# KiCad board sizif512.kicad_pcb (continued)
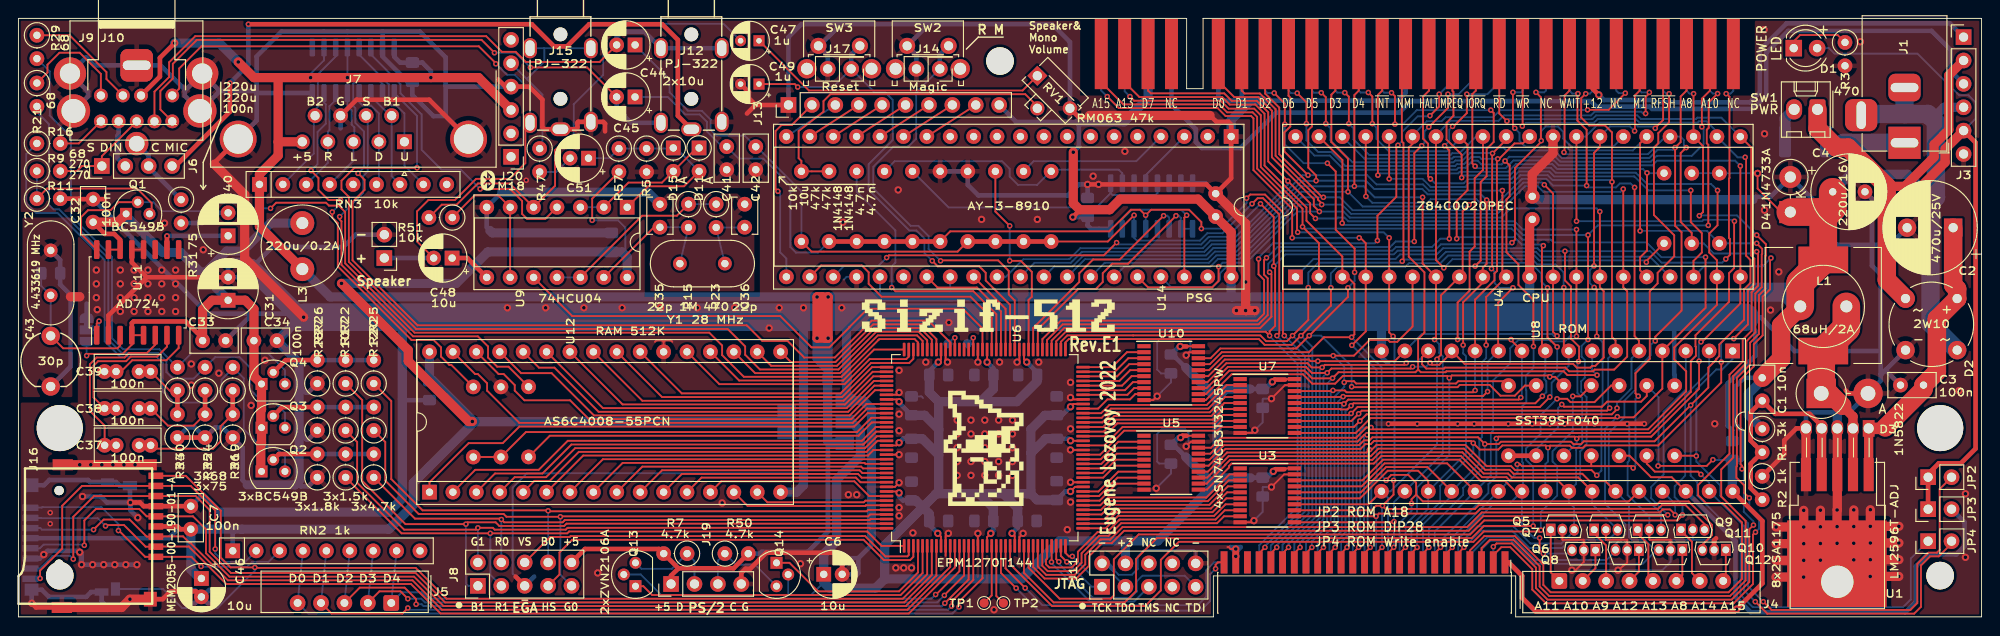
[diagram p0: board, top side]
## Routing (per net, layer and track width the routed paths; a pad name or vN(x,y) marks a point on that pad's centre or on a via; arc(x,y) is an arc through that point) (continued)
  Bottom w0.2: v2(2.35,4.17) 1.32,4.17 J21.8 ; v2(21.35,7.37) 21.35,6.9 22.28,5.97 24.59,5.97 RN2.2
/SD_DAT2: length 30.9
  Top w0.2: v2(10.85,9.37) 10.9,9.37 13.75,6.52 J16.1 18.76,6.52 v2(19.81,5.47)
  Bottom w0.2: v2(10.85,9.37) 10.85,10.07 9,11.92 2.6,11.92 2.55,11.87 1.32,11.87 J21.1 ; RN2.3 27.13,5.97 25.36,5.97 24.83,5.44 19.84,5.44 v2(19.81,5.47)
/SD_MISO: length 115.9
  Top w0.2: v2(5.95,6.27) 5.95,10.87 8.2,13.12 J16.7 19.23,13.12 20.75,11.6 20.75,7.08 23.06,4.77 43.09,4.77 46.28,1.57 96.12,1.57 99.1,4.55 U6.7
  Bottom w0.2: J21.7 2.32,5.25 3.7,6.62 5.6,6.62 v2(5.95,6.27)
/SD_MOSI: length 108.6
  Top w0.2: 14.91,8.74 17.86,8.74 18.56,8.04 18.65,8.04 22.73,3.97 42.76,3.97 45.95,0.77 96.45,0.77 101.1,5.42 U6.11 ; J16.3 13.91,8.72 12.06,10.57 9.25,10.57 v2(8.15,9.47)
  Bottom w0.2: v2(8.15,9.47) 2.55,9.47 2.38,9.65 J21.3
/SD_SCK: length 112.2
  Top w0.2: U6.8 99.6,4.49 96.28,1.17 46.12,1.17 42.92,4.37 22.89,4.37 20.35,6.91 20.35,9.5 18.93,10.92 14.93,10.92 14.91,10.94 ; J16.5 13.91,10.92 13.11,11.72 8.4,11.72 7.15,10.47 v2(7.15,7.77)
  Bottom w0.2: J21.5 2.32,7.45 2.73,7.85 7.07,7.85 v2(7.15,7.77)
/SHIFT_CLK: length 97.9
  Top w0.2: U6.98 101.1,29.81 98.74,32.17 92.58,32.17 88.58,28.17 85.25,28.17 83.45,29.97 80.71,29.97 79.02,31.67 43.31,31.67 36.25,38.73 36.25,45.07 37.55,46.37 37.55,47.47 v2(36.85,48.17)
  Bottom w0.2: v2(36.85,48.17) 37.5,48.82 37.5,52.72 36.55,53.67 36.55,55.27 36.32,55.5 36.32,57.92 36.65,58.25 39.13,58.25 39.51,57.87 U17.2
/SHIFT_OUT: length 46.6
  Top w0.2: U6.120 92.53,21.62 90.98,20.07 55.06,20.07 R53.2 R52.2
/SHIFT_PL: length 98.3
  Top w0.2: U6.103 98.6,30.04 97.67,30.97 93.08,30.97 88.98,26.87 80.45,26.87 78.85,28.47 78.85,29.37 76.95,31.27 43.15,31.27 35.85,38.57 35.85,45.62 35.05,46.42 35.05,47.37 36.45,48.77 v2(43.25,48.77)
  Bottom w0.2: v2(43.25,48.77) 43.25,54.42 U17.1
/SND_DAC_L: length 21.8
  Top w0.2: R38.2 106,44.02 v2(107.55,42.47) ; v2(107.55,38.67) 108.75,38.67 109.95,37.47 109.95,34.77 109.6,34.42 U6.81
  Bottom w0.2: v2(107.55,38.67) v2(107.55,42.47)
/SND_DAC_R: length 30.9
  Top w0.2: v2(94.75,35.77) 95.15,35.37 103.6,35.37 106.1,32.87 U6.88
  Bottom w0.2: R37.2 90.95,46.17 95.15,41.97 95.15,38.47 94.75,38.07 v2(94.75,35.77)
/SND_L: length 72
  Top w0.2: J9.8 14.76,57.05 16.35,58.64 16.35,60.24 19.18,63.07 50.75,63.07 52.45,61.37 53.95,61.37 55.05,60.27 63.06,60.27 C44.2
  Bottom w0.5: J12.T J12.T 67.9,63.57 65.5,63.57 64.91,62.98 C44.2
/SND_MONO: length 77.5
  Top w0.2: J15.R1 55,53.16 55,49.28 53.29,47.57 49.65,47.57 47.35,45.27 44.48,45.27 43.25,44.05 43.25,40.77 C48.2 ; J9.6 17.44,57.38 17.44,59.56 19.85,61.97 49.95,61.97 51.8,60.12 v2(51.8,60.07)
  Bottom w0.2: v2(51.8,60.07) 51.81,60.07 53.01,58.87 53.85,58.87 55.51,57.21 J15.R1
  Bottom w0.5: LS1.1 C48.2
/SND_R: length 65.9
  Top w0.2: v2(51.65,61.27) 50.25,62.67 19.35,62.67 16.75,60.07 16.75,58.47 15.4,57.12 15.4,55.11 J9.9 ; v2(55.55,59.67) 61.7,59.67 C45.2
  Bottom w0.2: v2(55.55,59.67) 53.94,61.28 51.66,61.28 v2(51.65,61.27)
  Bottom w0.5: C45.2 64.9,55.22 66.46,53.66 J12.R1
/TAPE_IN: length 21.6
  Bottom w0.2: 55.51,61.77 57.05,61.77 ; 57.05,61.77 57.05,60.31 55.23,58.49 55.23,58.35 ; 57.05,61.77 62.11,61.77 ; R47.1 56.85,51.17 56.85,56.73 55.23,58.35 ; 55.23,58.35 J20.5
/TAPE_IN0: length 32.5
  Top w0.2: U9.4 57.16,43.22 55.2,43.22 54.65,43.77 54.65,45.16 53.34,46.47 v2(50.1,46.47)
  Bottom w0.2: v2(50.1,46.47) 48,48.57 45.9,48.57 43.75,50.72 43.75,54.57 41.45,56.87 41.45,57.87 38.23,61.09 38.23,61.85
/TCK: length 6.9
  Top w0.2: U6.35 113.1,6.62 v2(113.75,5.97)
  Bottom w0.2: v2(113.75,5.97) 116.45,3.27 J11.1
/TDI: length 20.6
  Top w0.2: U6.34 112.6,6.27 v2(112.89,5.99)
  Bottom w0.2: J11.9 126.53,4.47 121.95,4.47 121.35,3.87 121.35,2.77 120.65,2.07 116.58,2.07 112.89,5.77 v2(112.89,5.99)
/TDO: length 8.8
  Top w0.2: v2(114.35,6.57) 113.98,6.57 113.6,6.95 U6.36
  Bottom w0.2: J11.3 118.81,4.57 116.35,4.57 v2(114.35,6.57)
/TMS: length 14.8
  Top w0.2: v2(112.09,5.96) 112.1,5.97 U6.33
  Bottom w0.2: v2(112.09,5.96) 112.09,5.83 116.25,1.67 121.05,1.67 J11.5
/VA0: length 22.5
  Top w0.2: U12.12 74.12,15.12 90.86,15.12 91.37,14.62 U6.134
/VA1: length 25.2
  Top w0.2: U12.11 71.98,15.52 91.1,15.52 91.5,15.12 U6.133
/VA2: length 27.8
  Top w0.2: U6.132 91.57,15.62 91.26,15.92 69.84,15.92 U12.10
/VA3: length 30.5
  Top w0.2: U6.131 91.63,16.12 91.43,16.32 67.7,16.32 U12.9
/VA4: length 33.2
  Top w0.2: U12.8 65.56,16.72 91.8,16.72 91.9,16.62 U6.130
/VA5: length 35.8
  Top w0.2: U12.7 63.41,17.12 U6.129
/VA6: length 38.8
  Top w0.2: U12.6 61.28,17.52 92.18,17.52 92.78,18.12 U6.127
/VA7: length 41.7
  Top w0.2: U12.5 55.98,14.77 57.65,14.77 60.8,17.92 92.01,17.92 93.21,19.12 U6.125
/VA8: length 40.6
  Top w0.2: U12.27 63.41,22.67 89.86,22.67 92.81,25.62 U6.112
/VA9: length 38
  Top w0.2: U6.111 92.75,26.12 89.7,23.07 65.55,23.07 U12.26
/VA10: length 34.1
  Top w0.2: U6.106 97.1,28.02 96.65,27.57 92.5,27.57 89.2,24.27 71.98,24.27 U12.23
/VA11: length 35.3
  Top w0.2: U6.110 92.68,26.62 89.53,23.47 67.69,23.47 U12.25
/VA12: length 44.5
  Top w0.2: U12.4 53.84,15.17 57.25,15.17 60.4,18.32 91.84,18.32 93.14,19.62 U6.124
/VA13: length 43.3
  Top w0.2: U12.28 56.48,27.07 58.15,27.07 62.95,22.27 90.03,22.27 92.88,25.12 U6.113
/VA14: length 47.2
  Top w0.2: U6.123 93.08,20.12 91.68,18.72 60,18.72 56.85,15.57 51.7,15.57 U12.3
/VA15: length 51.4
  Top w0.2: U6.118 92.07,22.62 90.52,21.07 54.35,21.07 50.85,24.57 50.85,25.37 49.85,26.37 49.55,26.37 U12.31
/VA16: length 50
  Top w0.2: U12.2 49.57,15.97 56.45,15.97 59.6,19.12 91.51,19.12 93.01,20.62 U6.122
/VA17: length 53.8
  Top w0.2: U6.119 92.14,22.12 90.69,20.67 54.35,20.67 52.55,18.87 48.85,18.87 44.6,14.62 U12.1
/VA18: length 48.6
  Top w0.2: U12.30 52.09,26.37 52.65,26.37 53.85,25.17 53.85,24.57 54.9,23.52 59.85,23.52 61.9,21.47 90.36,21.47 92.01,23.12 U6.117
/VD0: length 20.3
  Top w0.2: U6.137 92.3,13.12 90.7,14.72 76.26,14.72 U12.13
/VD1: length 17.2
  Top w0.2: U6.139 91.97,12.12 91.89,12.04 79.12,12.04 U12.14
/VD2: length 14.6
  Top w0.2: U6.138 91.9,12.62 91.72,12.44 81.26,12.44 U12.15
/VD3: length 20.9
  Top w0.2: U6.101 99.6,30.17 98,31.77 92.74,31.77 88.64,27.67 83.82,27.67 U12.17
/VD4: length 22.9
  Top w0.2: U6.102 99.1,30.1 97.83,31.37 92.91,31.37 88.81,27.27 81.68,27.27 U12.18
/VD5: length 24.3
  Top w0.2: U6.104 98.1,29.97 97.5,30.57 93.24,30.57 89.14,26.47 79.93,26.47 U12.19
/VD6: length 23.7
  Top w0.2: U12.20 78.19,25.67 89.47,25.67 92.83,29.03 U6.108
/VD7: length 27.5
  Top w0.2: U6.107 96.6,28.27 96.33,28 92.36,28 89.64,25.27 76.05,25.27 U12.21
/VID_B: length 12.5
  Top w0.2: R29.1 5.55,63.17 9.55,59.17 9.55,58.41 J9.1
/VID_COMP: length 8.1
  Bottom w0.5: J10.1 14.13,50.1 J6.3 14.13,48.84 R31.1
/VID_DIN: length 5.3
  Bottom w0.5: J9.4 10.87,52.39 10.74,52.25 10.74,49.82 J6.2
/VID_G: length 12.1
  Top w0.2: J9.3 8.94,58.98 6.65,61.27 4.45,61.27 3.15,59.97 3.15,59.13 R21.1
/VID_MIC: length 78.7
  Top w0.5: v2(24.95,64.37) 55.7,64.37 58.1,61.97 59.52,61.97 61.93,64.37 69.85,64.37 71.55,62.67 71.55,54.42 J12.S ; v2(22.95,57.97) 22.95,54.87 17.05,48.97 J6.4
  Bottom w0.5: v2(22.95,57.97) 24.95,59.97 v2(24.95,64.37)
/VID_R: length 5.4
  Top w0.2: R16.2 6.55,51.42 J9.7
/VID_SYNC: length 11.2
  Top w0.2: J9.5 9.05,50.04 J6.1 6.9,48.97 6.35,48.42 R9.2
/Vsync: length 44.8
  Top w0.2: U6.2 96.6,6.72 96.45,6.57 94.07,6.57 91.87,8.77 91.55,8.77 59.91,8.77 59.82,8.67 57.69,8.67 J8.6
/xA0: length 18.3
  Top w0.2: U6.62 117.47,22.12 118.37,23.02 128.93,23.02 131.09,25.18 U7.2
/xA1: length 18.2
  Top w0.2: U6.61 117.53,21.62 118.53,22.62 129.1,22.62 131,24.53 U7.3
/xA2: length 18.2
  Top w0.2: U7.4 130.92,23.88 130.69,23.65 130.69,23.64 129.26,22.22 118.7,22.22 117.6,21.12 U6.60
/xA3: length 18.1
  Top w0.2: U6.59 117.7,20.62 118.9,21.82 129.43,21.82 130.65,23.04 130.84,23.23 U7.5
/xA4: length 18.1
  Top w0.2: U6.58 117.77,20.12 119.06,21.42 129.6,21.42 130.75,22.58 U7.6
/xA5: length 6.9
  Top w0.2: U6.66 120.33,24.12 121.05,24.85 U10.8
/xA6: length 18
  Top w0.2: U7.7 130.67,21.93 129.76,21.02 119.23,21.02 117.83,19.62 U6.57
/xA7: length 18.1
  Top w0.2: U6.55 117.8,18.62 119.8,20.62 129.93,20.62 130.58,21.28 U7.8
/xA8: length 7.5
  Top w0.2: U6.45 117.18,13.62 119.33,15.77 U5.7
/xA9: length 7.4
  Top w0.2: U6.44 117.25,13.12 119.25,15.12 U5.8
/xA10: length 18.4
  Top w0.2: 132.55,15.48 131.4,15.48 128.89,12.97 118.23,12.97 117.38,12.12 U6.42
/xA11: length 7.4
  Top w0.2: U6.43 117.32,12.62 119.17,14.47 U5.9
/xA12: length 18.3
  Top w0.2: 132.55,20.63 130.5,20.63 130.1,20.22 119.97,20.22 117.37,17.62 U6.53
/xA13: length 7.2
  Top w0.2: U10.3 120.42,28.1 118.95,26.62 U6.71
/xA14: length 26.4
  Top w0.2: U6.32 111.6,6.32 111.49,6.21 111.49,5.71 111.84,5.36 114.28,5.36 114.95,6.04 114.95,7.07 117.08,9.2 118.12,9.2 119.38,10.47 119.48,10.57 129.88,10.57 130.89,11.58 U3.8
/xA15: length 18.1
  Top w0.2: U3.7 130.97,12.23 129.72,10.97 119.32,10.97 117.97,9.62 U6.37
/xCLKCPU: length 7.2
  Top w0.2: U6.70 119.2,26.12 120.53,27.45 U10.4
/xD0: length 7
  Top w0.2: 122.12,25.5 120.93,25.5 120.05,24.62 U6.67
/xD1: length 7
  Top w0.2: U10.6 120.78,26.15 119.75,25.12 U6.68
/xD2: length 7.1
  Top w0.2: U6.69 119.45,25.62 120.62,26.8 U10.5
/xD3: length 18.2
  Top w0.2: U6.38 117.9,10.12 119.15,11.37 129.55,11.37 131.06,12.88 U3.6
/xD4: length 26.9
  Top w0.2: U6.31 111.09,7.69 111.09,5.55 111.67,4.96 114.44,4.96 115.35,5.87 115.35,6.9 117.25,8.8 118.28,8.8 119.65,10.17 130.05,10.17 130.81,10.93 U3.9
/xD5: length 18.2
  Top w0.2: U6.39 117.84,10.62 118.99,11.77 129.39,11.77 131.14,13.53 U3.5
/xD6: length 18.3
  Top w0.2: U3.4 131.23,14.18 129.22,12.17 118.56,12.17 117.51,11.12 U6.40
/xD7: length 18.4
  Top w0.2: U3.3 131.31,14.83 129.06,12.57 118.39,12.57 117.45,11.62 U6.41
/~{BUSACK}: length 101.7
  Top w0.2: v2(188.47,9.2) 188.2,8.93 188.2,3.57 186.1,1.47 165.74,1.47 164.25,2.96 164.25,5.18 161.86,7.57 160.9,7.57 160.3,6.97 160.24,6.97 160.02,6.75 J18.3 ; v2(181.75,56.82) 181.74,56.82 U4.23 182.78,51.12 182.78,43.97 v2(182.38,43.57) ; 160.02,6.35 160.02,5.52 160.04,5.54 ; v2(188.6,41.47) 189.6,40.47 189.6,39.26 189.55,39.21 189.55,35.64 188.85,34.94 188.85,30.74 187.89,29.77 187.89,27.41 186.45,25.97 186.45,16.37 186.4,16.32 186.4,15.12 187.25,14.27 187.25,13.46 v2(187.8,12.92)
  Bottom w0.2: v2(188.47,9.2) 188.85,9.58 188.85,10.57 187.8,11.62 v2(187.8,12.92) ; v2(181.75,56.82) 181.32,56.82 180.99,57.16 180.99,61.17 ; v2(188.6,41.47) 188.6,41.47 186.47,43.6 182.41,43.6 v2(182.38,43.57)
/~{BUSRQ}: length 124.6
  Top w0.2: 158.75,5.52 158.75,7.47 159.65,8.37 162.19,8.37 165.05,5.51 165.05,3.3 166.08,2.27 185.72,2.27 187.4,3.95 187.4,10.42 184.75,13.07 184.75,16.01 186.05,17.31 186.05,26.14 187.49,27.57 187.49,29.94 188.45,30.9 188.45,35.1 189.15,35.8 189.15,38.25 189.15,39.37 189.2,39.42 189.2,39.97 v2(188.6,40.57) ; U4.25 175.95,51.45 v2(175.95,41.92) ; v2(162.15,56.97) 162.15,53.27 v2(162.35,53.07)
  Bottom w0.2: v2(162.35,53.07) 162.86,52.56 162.86,51.71 163.51,51.06 167.93,51.06 168.33,50.66 175.16,50.66 U4.25 ; v2(175.95,41.92) 183.2,41.92 R32.1 v2(188.6,40.57) ; v2(162.15,56.97) 163.02,56.97 163.21,57.16 163.21,61.17
/~{CLKCPU}: length 80.9
  Top w0.2: v2(144.97,37.42) 144.97,40 142.93,42.05 142.93,48.37 v2(142.03,49.27) ; v2(144.65,24.99) 144.7,24.95 156.14,24.95 156.39,25.19 159.63,25.19 160.8,24.02 162.35,24.02 163.45,25.12 R48.1 ; v2(137.4,53.51) 137.4,55.75 v2(136.25,56.9) ; v2(144.25,35.74) 144.25,34.75 v2(140.05,30.55) 138.65,29.15 138.32,29.15 138.32,29.15 130.4,29.15 129.35,28.1 U10.18
  Bottom w0.2: v2(144.25,35.74) 144.97,36.47 v2(144.97,37.42) ; 135.27,61.17 135.27,57.16 135.52,56.9 v2(136.25,56.9) ; v2(142.03,49.27) 139.45,49.27 137.4,51.32 v2(137.4,53.51) ; v2(140.05,30.55) 141.32,30.55 144.65,27.22 v2(144.65,24.99)
/~{DRD}: length 70.7
  Top w0.2: v2(153.15,54.44) 154.15,55.44 v2(154.15,56.77) ; v2(134.55,38.87) 134.55,37.2 135.15,36.6 135.15,32.94 134.38,32.17 113.1,32.17 111.1,30.17 U6.78 ; v2(149.68,51.22) 149.5,51.05 149.5,45.62 147.45,43.57 v2(147.45,40.87)
  Bottom w0.2: v2(134.55,38.87) 134.55,39.02 136.1,40.57 147.15,40.57 v2(147.45,40.87) ; v2(149.68,51.22) 150.12,51.66 150.12,52.67 151.82,54.37 153.08,54.37 v2(153.15,54.44) ; v2(154.15,56.77) 155.59,58.21 J2.A16
/~{DWR}: length 73.2
  Top w0.2: U6.77 111.6,30.07 113.3,31.77 134.55,31.77 135.55,32.77 135.55,36.77 135.15,37.17 135.15,38.74 v2(135.41,39.01) ; v2(152.25,51.17) 151.45,50.37 v2(151.45,40.77) ; v2(155.1,56.77) 155.1,55.28 v2(153.03,53.2)
  Bottom w0.2: v2(151.45,40.77) 149.42,40.77 148.83,40.17 136.6,40.17 135.44,39.01 v2(135.41,39.01) ; 158.13,61.17 158.13,58.65 156.25,56.77 v2(155.1,56.77) ; v2(153.03,53.2) 152.55,52.73 152.55,51.47 v2(152.25,51.17)
/~{HALT}: length 135.1
  Top w0.2: 153.05,61.17 153.05,57.16 152.4,56.51 152.4,51.94 152.95,51.39 152.95,47.82 v2(153.2,47.57) ; v2(190.15,38.98) 190.05,38.88 190.05,35.57 189.25,34.77 189.25,30.57 188.29,29.61 188.29,27.21 186.85,25.77 186.85,16.57 187,16.42 v2(187,16.07) ; U4.18 181.74,38.66 182.65,39.57 182.65,41.67 181.45,42.87 v2(181.45,46.32) ; v2(188.25,9.97) 187.8,9.52 187.8,3.79 185.88,1.87 165.91,1.87 164.65,3.13 164.65,5.35 162.03,7.97 160.38,7.97 v2(160.03,7.62)
  Bottom w0.2: U4.18 182.89,38.07 189.24,38.07 v2(190.15,38.98) ; J18.4 160.03,5.93 v2(160.03,7.62) ; v2(188.25,9.97) 188.25,10.37 187.2,11.42 187.2,15.87 v2(187,16.07) ; v2(153.2,47.57) 153.68,47.1 156.83,47.1 157.27,47.54 161.96,47.54 162.79,48.37 166.1,48.37 166.63,47.84 175.32,47.84 176.84,46.32 v2(181.45,46.32)
/~{INTB}: length 57.2
  Top w0.2: U4.16 175.95,37.64 175.95,39.05 176.7,39.8 v2(176.7,48.22) ; v2(147.5,47.97) 147.5,56.69 147.97,57.16 147.97,61.17
  Bottom w0.2: R49.1 176.72,48.2 v2(176.7,48.22) 176.28,48.64 166.96,48.64 166.43,49.17 162.46,49.17 161.63,48.34 156.38,48.34 156.2,48.17 147.7,48.17 v2(147.5,47.97)
/~{INT}: length 99.9
  Top w0.2: v2(176.63,38.52) 176.63,38.65 R49.2 ; U6.73 113.6,29.8 113.96,30.17 134.59,30.17 135.21,29.55 138.15,29.55 v2(139.15,30.55) 142.4,33.8 v2(142.4,35.74)
  Bottom w0.2: v2(139.15,30.55) 140.39,29.31 140.39,11.07 137.15,7.83 137.15,5.93 J18.40 ; v2(176.63,38.52) 176.43,38.72 165,38.72 164.47,39.25 155.13,39.25 154.3,38.42 150.88,38.42 150.48,38.02 143.12,38.02 142.4,37.31 v2(142.4,35.74)
/~{IORQGE}: length 122.2
  Top w0.2: v2(148.98,56.93) 149.35,56.56 v2(149.35,53.52) ; R4.1 166.72,26.07 v2(166.15,26.07) 166,26.22 155.53,26.22 v2(155.25,25.94) 155.02,26.17 143.7,26.17 142.86,25.33 140.38,25.33 139.36,26.35 131.63,26.35 128.83,23.55 U10.11 ; v2(165.9,35.74) 165.9,35.74 165.9,30.37 v2(166.95,29.32) ; J18.19 149.86,6.91 v2(150.49,7.55) ; v2(158.05,38.1) 158.65,38.7 158.65,47.22 159.3,47.87 159.3,50.82 160.06,51.58 160.06,54.73 v2(159.75,55.05)
  Bottom w0.2: v2(159.75,55.05) 159.74,55.04 151.72,55.04 150.2,53.52 v2(149.35,53.52) ; v2(166.15,26.07) 166.16,26.07 166.95,26.86 v2(166.95,29.32) ; v2(165.9,35.74) 165.23,36.41 165.23,37.28 164.07,38.45 158.4,38.45 v2(158.05,38.1) ; 147.97,61.17 147.97,57.16 148.19,56.93 v2(148.98,56.93) ; v2(155.25,25.94) 155.25,17.55 151.75,14.05 151.75,11.27 150.5,10.02 150.5,7.56 v2(150.49,7.55)
/~{IORQ}: length 111.6
  Top w0.2: J18.13 153.67,6.92 v2(154.3,7.55) ; v2(182.56,29.87) 182.66,29.87 186.82,34.04 U4.20 186.83,36.93 v2(186.83,48.97) ; 158.13,61.17 158.13,57.16 157.75,56.78 157.75,49.24 v2(158.05,48.94) ; v2(160.35,19.37) 160.55,19.57 168.86,19.57 v2(169.07,19.36) 169.29,19.57 177.15,19.57 182.35,24.77 v2(182.35,27.77)
  Bottom w0.2: v2(169.07,19.36) 169.07,18.9 R4.2 ; v2(182.56,29.87) 182.31,29.62 182.31,27.81 v2(182.35,27.77) ; v2(158.05,48.94) 158.25,48.74 161.37,48.74 162.2,49.57 166.59,49.57 167.12,49.04 177.29,49.04 177.8,49.55 186.25,49.55 v2(186.83,48.97) ; v2(154.3,7.55) 154.3,8.26 159.49,13.45 159.49,14.41 160.35,15.27 v2(160.35,19.37)
/~{JOY_B1}: length 11.3
  Bottom w0.2: 38.23,56.9 38.23,56.55 40.34,54.44 J7.6 40.49,47.87 RN3.7
/~{JOY_B2}: length 17.3
  Bottom w0.2: RN3.2 32.05,50.33 32.05,54.31 J7.9 32.18,55.11 32.48,55.4 32.48,58.93 34.43,60.87 34.43,61.85
/~{JOY_DOWN}: length 11.5
  Bottom w0.2: RN3.6 39.11,47.23 J7.2 39.11,54.68 38.25,55.54 37.35,55.54 36.96,55.92 U17.4
/~{JOY_LEFT}: length 11.3
  Bottom w0.2: U17.5 35.7,55.48 36.15,55.02 36.15,53.47 36.45,53.17 36.45,51.71 J7.3 36.34,49.54 RN3.4
/~{JOY_RIGHT}: length 11.2
  Bottom w0.2: RN3.3 33.57,49.31 J7.4 33.57,52.69 33.75,52.87 33.75,55.47 34.43,56.15 U17.6
/~{JOY_UP}: length 18.1
  Bottom w0.2: RN3.8 41.88,49.02 J7.1 41.88,54.68 41.02,55.54 40.48,55.54 40.18,55.84 40.18,57.84 36.96,61.05 36.96,61.85
/~{M1}: length 109.8
  Top w0.2: U5.14 129.05,15.77 131.13,17.85 146.27,17.85 v2(146.59,18.16) 146.84,18.16 147.35,18.67 157,18.67 159.3,16.37 161.96,16.37 162.39,15.94 170.68,15.94 v2(171.25,15.37) ; v2(175.35,52.77) 175.38,52.8 175.38,56.63 175.91,57.16 175.91,61.17 ; v2(171.25,30.47) 171.25,35.5 v2(170.97,35.78) ; v2(170.95,38.12) 170.95,50.4 171.58,51.03 U4.27 ; v2(146.67,7.55) 146.05,6.93 J18.25
  Bottom w0.2: v2(175.35,52.77) 174.85,53.27 172.69,53.27 U4.27 ; v2(146.67,7.55) 146.69,7.57 146.39,7.88 146.39,18.16 146.45,18.22 146.53,18.22 v2(146.59,18.16) ; v2(170.97,35.78) 170.48,36.26 170.48,37.65 v2(170.95,38.12) ; v2(171.25,15.37) 171.75,15.87 171.75,22.83 171.88,22.96 171.88,29.84 v2(171.25,30.47)
/~{MAGIC}: length 47.9
  Top w0.2: v2(100.05,38.67) 100.1,38.72 106.3,38.72 107.45,37.57 107.45,35.02 108.1,34.37 U6.84
  Bottom w0.2: J14.1 97.4,56.95 97.4,51.93 96.55,51.07 94.94,51.07 92.75,48.88 92.75,46.53 96.81,42.47 97.65,42.47 98.75,41.37 98.75,39.97 v2(100.05,38.67)
  Bottom w0.5: J14.1 99.97,61.07 SW2.2
/~{MREQ}: length 140.3
  Top w0.2: J18.27 144.78,6.92 v2(145.41,7.55) ; U5.18 129.39,18.37 130.47,19.45 145.13,19.45 146.26,20.57 v2(146.76,20.57) 146.96,20.37 176.82,20.37 180.95,24.5 180.95,26.67 179.65,27.97 179.65,29.25 184.28,33.89 U4.19 184.28,38.74 183.45,39.57 183.45,41.63 184.35,42.53 v2(184.35,46.32) ; 155.59,61.17 155.59,57.13 155.7,57.02 155.7,54.42 154.95,53.67 154.95,51.85 156.59,50.21 v2(156.59,47.71)
  Bottom w0.2: v2(146.76,20.57) 145.95,20.57 145.59,20.21 145.59,7.73 v2(145.41,7.55) ; v2(184.35,46.32) 183.65,47.02 176.71,47.02 175.49,48.24 166.79,48.24 166.26,48.77 162.63,48.77 161.8,47.94 156.83,47.94 v2(156.59,47.71)
/~{MTR}: length 76.7
  Top w0.2: v2(154.74,51.17) 155.25,50.66 v2(155.25,41.07) ; v2(135.75,37.43) 135.95,37.23 135.95,32.6 134.72,31.37 113.47,31.37 112.1,30 U6.76 ; v2(155.6,53.27) 155.7,53.27 157.15,54.72 v2(157.15,56.77)
  Bottom w0.2: 160.67,61.17 160.67,58.06 159.38,56.77 v2(157.15,56.77) ; v2(135.75,37.43) 135.6,37.58 135.6,38.34 137.03,39.77 149.07,39.77 149.47,40.17 153.38,40.17 154.27,41.07 v2(155.25,41.07) ; v2(155.6,53.27) 155.24,52.91 155.24,51.67 v2(154.74,51.17)
/~{NMI}: length 126
  Top w0.2: v2(139.95,35.77) 139.95,32.26 v2(138.24,30.55) 137.64,29.95 135.37,29.95 134.75,30.57 120.95,30.57 113.8,30.57 113.1,29.87 U6.74 ; J18.41 135.89,6.91 v2(136.52,7.54) ; 150.15,60.81 150.51,61.17 ; v2(150.14,38.62) 150.27,38.76 150.27,51.47 150.1,51.64 150.1,60.72 J2.B14
  Bottom w0.2: v2(139.95,35.77) 139.95,37.4 141.02,38.47 149.99,38.47 v2(150.14,38.62) 150.34,38.82 152.52,38.82 152.53,38.82 154.06,38.82 154.88,39.65 164.64,39.65 165.17,39.12 176.38,39.12 177.01,39.12 U4.17 ; v2(138.24,30.55) 139.99,28.8 139.99,11.23 136.52,7.77 v2(136.52,7.54)
/~{RD}: length 145.9
  Top w0.2: U4.21 188,50.99 188,39.25 188.35,38.9 188.35,36.14 187.65,35.44 187.65,31.76 v2(186.11,30.22) ; U5.15 129.14,16.42 130.97,18.25 145.63,18.25 146.15,18.77 146.74,18.77 147.08,19.1 157.62,19.1 v2(157.85,18.87) 158.55,18.17 160.56,18.17 161.01,18.62 165.7,18.62 v2(165.95,18.37) 166.18,18.6 168.32,18.6 168.56,18.36 169.74,18.36 170,18.62 177.92,18.62 184.75,25.45 v2(184.75,27.67) ; v2(151.76,7.55) 151.13,6.92 J18.17 ; v2(161.5,53.85) 160.67,54.68 160.67,61.17
  Bottom w0.2: v2(161.5,53.85) 161.72,54.06 170.78,54.06 171.18,54.47 175.65,54.47 176.05,54.07 182.01,54.07 182.16,54.22 184.77,54.22 U4.21 ; v2(157.85,18.87) 157.85,17.82 154.25,14.22 154.25,12.47 151.75,9.97 151.75,7.56 v2(151.76,7.55) ; U8.24 165.67,16.58 165.95,16.86 v2(165.95,18.37) ; v2(184.75,27.67) 184.75,29.79 185.19,30.22 v2(186.11,30.22)
/~{RFSH}: length 135.2
  Top w0.2: U4.28 169.04,42.98 v2(169.05,42.97) ; 178.45,61.17 178.45,53.96 177.6,53.12 v2(177.6,53.07) ; U5.17 129.31,17.72 130.64,19.05 145.3,19.05 146.02,19.77 v2(146.33,19.77) 146.53,19.97 176.98,19.97 181.45,24.44 181.45,27.8 182.01,28.35 182.01,29.33 181.96,29.38 181.96,30.58 185.6,34.22 185.6,37.33 186.15,37.88 186.15,42.93 v2(186.19,42.97)
  Bottom w0.2: v2(186.19,42.97) 186.04,43.12 182.82,43.12 182.67,42.97 v2(169.05,42.97) ; J18.26 146.05,7.65 145.99,7.71 145.99,19.61 146.15,19.77 v2(146.33,19.77) ; U4.28 170.03,52.16 171.53,53.67 175.3,53.67 175.71,53.26 177.41,53.26 v2(177.6,53.07)
/~{ROMCSB}: length 76.9
  Top w0.2: v2(175.75,23.97) 175.45,24.27 175.45,26.47 177,28.02 177,35.37 177.85,36.22 177.85,37.37 179.65,39.17 179.65,41.44 177.45,43.65 177.45,50.97 177.93,51.45 177.93,52.54 179.1,53.72 v2(179.1,56.82) ; 170.65,16.37 R8.2 ; 170.65,16.37 163.12,16.37 162.93,16.56 v2(162.62,16.56) ; 170.65,16.37 175,16.37 v2(175.2,16.17)
  Bottom w0.2: v2(175.75,23.97) 175.45,23.67 175.45,16.42 v2(175.2,16.17) ; v2(162.62,16.56) 162.65,16.53 162.65,15.7 U8.22 154.94,7.99 J18.12 ; v2(179.1,56.82) 178.78,56.82 178.45,57.16 178.45,61.17
/~{ROMCS}: length 85.7
  Top w0.2: v2(168.64,23.96) 168.66,23.95 169.48,23.95 R8.1 ; v2(165.18,9.42) 165.03,9.27 158.99,9.27 157.86,8.15 125.9,8.15 123.95,6.2 123.95,2.87 122.25,1.17 112.15,1.17 107.6,5.72 U6.24
  Bottom w0.2: v2(168.64,23.96) 168.64,20.17 166.45,17.98 166.45,16.87 166.95,16.37 166.95,13.17 165.18,11.4 v2(165.18,9.42)
/~{RSTCPU}: length 179.2
  Top w0.2: v2(119.15,40.65) 117.77,39.27 94.45,39.27 v2(94.2,39.02) ; U6.75 112.6,29.94 113.63,30.97 135.33,30.97 135.75,30.55 ; v2(162.05,40.65) 162.38,40.97 162.38,48.76 165.22,51.61 v2(165.22,51.72) 165.18,51.76 165.18,56.44 v2(164.65,56.97) ; v2(134.76,44.87) 136.2,43.43 136.2,38.1 v2(136.2,38.1) 136.35,37.95 136.35,31.6 135.75,31.01 v2(135.75,30.55)
  Bottom w0.2: v2(135.75,30.55) 135.75,30.5 138.79,27.46 138.79,11.93 134.62,7.77 J18.44 ; U4.26 173.02,51.06 168.49,51.06 167.6,51.95 167.6,52.69 167.03,53.26 165.72,53.26 165.22,52.77 v2(165.22,51.72) ; v2(134.76,44.87) 131.16,41.27 129.16,41.27 128.34,40.45 119.35,40.45 v2(119.15,40.65) ; v2(164.65,56.97) 165.54,56.97 165.75,57.17 165.75,61.17 ; v2(94.2,39.02) 93.3,38.12 89.59,38.12 U14.23 ; v2(136.2,38.1) 137.48,39.37 149.24,39.37 149.64,39.77 153.65,39.77 154.35,40.47 161.87,40.47 v2(162.05,40.65)
/~{RST}: length 57.4
  Top w0.2: U6.85 107.6,33.88 104.95,36.53 104.95,37.37 104.25,38.07 99.75,38.07 v2(99.15,38.67) ; v2(84.55,57.54) 84.22,57.87 C49.1
  Bottom w0.2: v2(99.15,38.67) 98.3,39.52 98.3,41.1 97.43,41.97 96.65,41.97 92.25,46.37 92.25,49.17 94.86,51.78 94.86,56.15 94.04,56.97 92.9,56.97 J17.1 88.37,57.54 v2(84.55,57.54)
  Bottom w0.5: SW3.2 90.35,61.07 J17.1
/~{VRD}: length 32.6
  Top w0.2: U6.109 92.62,27.12 89.37,23.87 69.84,23.87 U12.24
/~{VWR}: length 46
  Top w0.2: U6.114 92.94,24.62 90.19,21.87 62.45,21.87 57.85,26.47 54.54,26.47 U12.29
/~{WAIT}: length 122.3
  Top w0.2: 168.29,61.17 168.29,57.16 167.76,56.62 167.76,50.44 167.7,50.44 v2(167.69,50.45) ; v2(188.6,39.67) 188.75,39.52 188.75,35.97 188.05,35.27 188.05,31.07 187.09,30.11 187.09,27.74 185.65,26.3 185.65,17.72 182.25,14.32 182.25,13.21 183.09,12.37 184.88,12.37 187,10.25 187,4.12 185.55,2.67 166.25,2.67 165.45,3.47 165.45,5.68 162.36,8.77 159.05,8.77 157.48,7.2 157.48,5.52 ; v2(180.95,50.97) 180.35,50.37 180.35,42.9 181.55,41.7 R33.1
  Bottom w0.2: v2(180.95,50.97) 180.7,51.22 180.7,51.8 180.34,52.16 U4.24 178.71,52.16 176.81,50.26 167.88,50.26 v2(167.69,50.45) ; R33.1 182.84,40.57 183.94,39.47 188.4,39.47 v2(188.6,39.67)
/~{WR}: length 186.1
  Top w0.2: v2(181.44,22.98) 181.44,22.99 181.48,23.04 ; 181.48,23.04 183.35,24.9 183.35,27.07 184.22,27.94 184.22,28.01 184.55,28.34 184.55,29.58 187.22,32.26 187.22,35.58 187.93,36.28 187.93,38.76 187.45,39.24 187.45,49.82 v2(187.35,49.92) ; 181.48,23.04 177.52,19.07 169.85,19.07 169.54,18.76 168.73,18.76 168.47,19.02 160.85,19.02 160.6,18.77 v2(159.1,18.77) 158.37,19.5 146.91,19.5 146.57,19.17 145.99,19.17 145.46,18.65 130.8,18.65 129.22,17.07 U5.16 ; 163.21,61.17 163.21,53.33 v2(163.18,53.3) ; v2(153.04,7.54) 152.4,6.91 J18.15
  Bottom w0.2: JP4.1 205.32,6.34 205.32,1.89 204.48,1.05 188.18,1.05 186.85,2.38 186.85,8.47 182.15,13.17 182.15,14.62 181.44,15.33 v2(181.44,22.98) ; v2(153.04,7.54) 153.03,7.55 153.03,9.54 156.75,13.26 156.75,14.02 159.1,16.37 v2(159.1,18.77) ; v2(187.35,49.92) 186.53,49.92 U4.22 184.28,52.69 183.15,53.82 182.33,53.82 182.18,53.67 175.88,53.67 175.49,54.07 171.35,54.07 170.94,53.66 163.54,53.66 v2(163.18,53.3)
/~{xCLKCPU}: length 7.3
  Top w0.2: U10.2 120.28,28.75 118.65,27.12 U6.72
/~{xIORQGE}: length 7.3
  Top w0.2: U6.63 117.15,22.62 118.15,23.62 120.6,23.62 121.18,24.2 U10.9
/~{xM1}: length 7.2
  Top w0.2: U5.6 119,16.42 117.7,15.12 U6.48
/~{xMREQ}: length 7.4
  Top w0.2: U6.52 117.43,17.12 119.33,19.02 U5.2
/~{xRD}: length 7.2
  Top w0.2: U5.5 119.08,17.07 117.63,15.62 U6.49
